# KiCad board ENV_KB.kicad_pcb (continued)
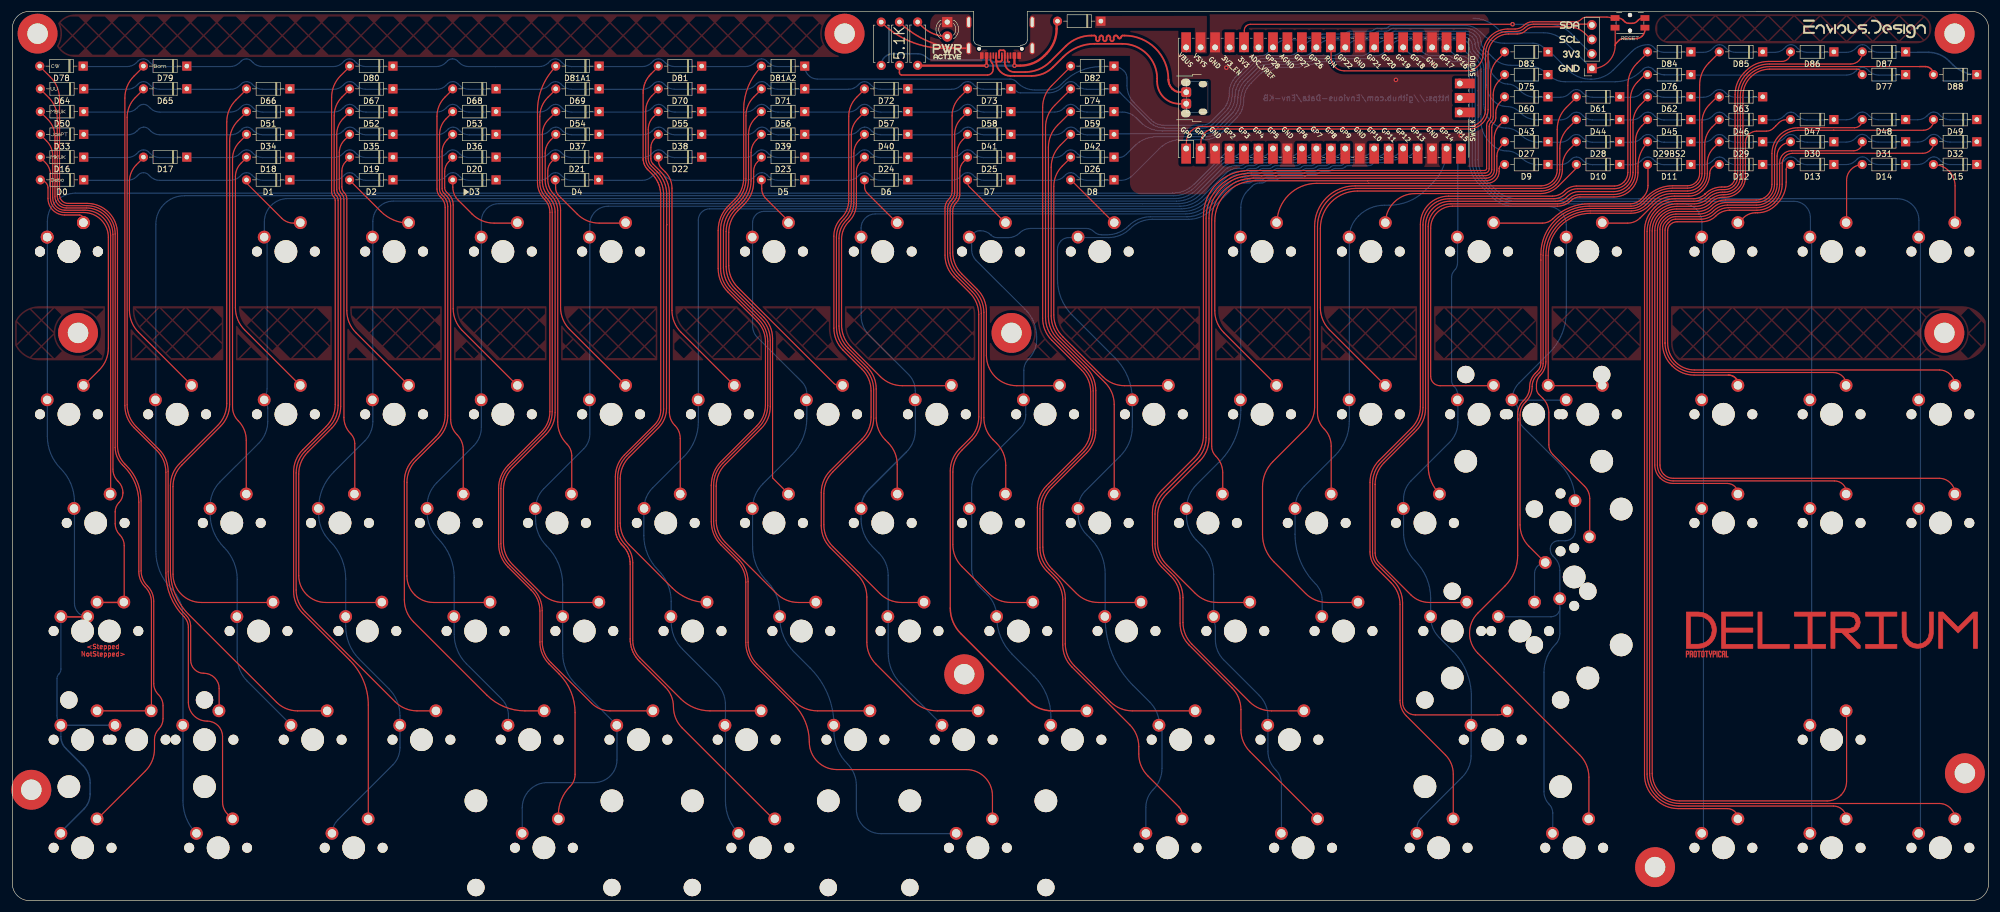
[diagram p0: board, top side]
## Nets (continued)
Net-(D75-Pad2): D75.2 K_75.2
Net-(D76-Pad2): D76.2 K_76.2
Net-(D77-Pad2): D77.2 K_77.2
Net-(D78-Pad2): D78.2 K_78.2
Net-(D79-Pad2): D79.2 K_79.2
Net-(D80-Pad2): D80.2 K_80.2
Net-(D81-Pad2): D81.2 K_81.2
Net-(D81A1-Pad2): D81A1.2 K_81A1.2
Net-(D81A2-Pad2): D81A2.2 K_81A2.2
Net-(D82-Pad2): D82.2 K_82.2
Net-(D83-Pad2): D83.2 K_83.2
Net-(D84-Pad2): D84.2 K_84.2
Net-(D85-Pad2): D85.2 K_85.2
Net-(D86-Pad2): D86.2 K_86.2
Net-(D87-Pad2): D87.2 K_87.2
Net-(D88-Pad2): D88.2 K_88.2
Net-(PowerLED0-Pad2): PowerLED0.2 PowerLedResistor0.2
Net-(RESISTOR0-Pad1): RESISTOR0.1 USB1.B5
Net-(RESISTOR1-Pad2): RESISTOR1.2 USB1.A5

Pads without a net: H0 1; H1 1; H3 1; H4 1; H4#2 1; H6 1; H7 1; H9 1; H10 1; H11 1; RPI0 33 35 37 40 41 42 43; USB1 A8 B8

## Via types
v1: diameter 0.8, hole 0.4, Top to Bottom, 6 vias
v2: diameter 0.4, hole 0.2, Top to Bottom, 2 vias

## Routing (per net, layer and track width the routed paths; a pad name or vN(x,y) marks a point on that pad's centre or on a via; arc(x,y) is an arc through that point)
3.3V: length 66.6
  Top w0.2: 216.31,149.97 216.31,152.97 arc(216.39,153.37) 216.62,153.72 arc(216.97,153.94) 217.37,154.03 263.39,154.03 arc(263.4,154.03) 263.41,154.03 v1(263.42,154.04)
  Bottom w0.2: v1(263.42,154.04) 263.43,154.03 arc(263.44,154.03) 263.45,154.03 269.82,154.03 arc(271.9,153.61) 273.67,152.43 277.33,148.76
GND: length 70.4
  Top w0.2: 281.43,153.34 281.43,150.32 arc(280.23,147.43) 277.33,146.22
  Top w0.25: SW-RST0.2 286.66,153.12 arc(286.53,152.49) 286.18,151.96 arc(285.7,151.64) 285.13,151.52 282.83,151.52 arc(282.45,151.45) 282.13,151.24 281.58,150.68 arc(281.47,150.52) 281.43,150.32 ; RESISTOR1.1 arc(157.67,151) 163.7,149.81 USB1.S1 166.95,149.81 arc(160.89,151.01) 155.76,154.44
  Bottom w0.2: 277.33,146.22 272.53,151.03 arc(270.85,152.15) 268.87,152.54 262.59,152.54 arc(261.59,152.74) 260.75,153.31 arc(258.78,154.62) 256.45,155.08
  vias: v1(213.16,146.41) v1(242.93,144.26) v1(254.31,134.46) v2(249.46,147.05)
col0: length 342.1
  Top w0.25: 8.53,49.88 13.28,49.88
  Bottom w0.2: 8.53,49.88 8.53,40.69 arc(8.44,40.22) 8.17,39.82 arc(7.92,39.45) 7.83,39.01 7.83,32.5 arc(8.01,31.59) 8.53,30.81 8.53,28.81 ; 213.77,132.19 207.53,125.94 arc(205.77,124.76) 203.68,124.35 11.15,124.35 arc(7.61,122.89) 6.15,119.35 6.15,81.59 arc(6.75,78.54) 8.48,75.95 arc(10.28,73.26) 10.91,70.09 10.91,52.25 arc(11.61,50.56) 13.29,49.87
  Bottom w0.25: 18.07,30.81 8.53,30.81 ; 8.53,28.81 arc(8.75,27.7) 9.38,26.76 12.4,23.74 arc(13.33,22.35) 13.65,20.71 13.65,18.72 arc(13.37,17.31) 12.57,16.12 8.69,12.23 arc(8.57,12.05) K_78.1
col1: length 306
  Bottom w0.2: 216.31,132.19 215.45,131.32 arc(214.71,130.83) 213.85,130.66 arc(212.98,130.48) 212.25,129.99 207.75,125.49 arc(205.98,124.31) 203.9,123.9 30.2,123.9 arc(26.66,122.44) 25.2,118.9 25.2,61.43 arc(25.91,57.85) 27.93,54.82 arc(29.43,52.58) 29.96,49.93 29.96,17.51 arc(30.58,14.4) 32.34,11.76
col2: length 275.5
  Bottom w0.2: 44.73,116.12 44.73,89.97 arc(44.55,89.03) 44.02,88.24 ; 44.25,116.54 44.25,119.29 arc(45.45,122.2) 48.36,123.4 204.1,123.4 arc(206.18,123.81) 207.95,124.99 212.44,129.49 arc(213.24,130.02) 214.18,130.21 214.83,130.21 arc(215.16,130.27) 215.44,130.46 arc(215.73,130.65) 216.06,130.72 216.54,130.72 arc(217.32,130.87) 217.98,131.31 218.85,132.19 ; 49.01,30.81 41.23,38.59 arc(39.94,40.53) 39.49,42.81 39.49,56.48 arc(38.88,59.52) 37.16,62.1 arc(35.36,64.8) 34.72,67.98 ; 44.25,87.97 arc(44.69,87.3) 44.85,86.52 44.85,84.23 arc(44.43,82.15) 43.26,80.39 36.48,73.61 arc(35.18,71.67) 34.72,69.37
col3: length 282.6
  Bottom w0.2: 221.39,132.19 220.52,131.31 arc(219.86,130.87) 219.08,130.72 218.6,130.72 arc(218.27,130.65) 217.99,130.46 arc(217.7,130.27) 217.37,130.21 216.57,130.21 arc(216.23,130.14) 215.95,129.95 arc(215.67,129.77) 215.34,129.7 214.56,129.7 arc(213.5,129.49) 212.6,128.89 208.26,124.54 arc(206.49,123.36) 204.41,122.95 66.88,122.95 arc(64.35,121.9) 63.3,119.37 63.3,84.24 arc(62.92,82.36) 61.86,80.77 56.44,75.35 arc(54.47,72.4) 53.77,68.91 ; 56.15,11.76 arc(56.42,13.09) 57.17,14.21 66.8,23.84 arc(67.73,25.24) 68.06,26.89 68.06,32.53 arc(67.55,35.09) 66.1,37.25 60.92,42.44 arc(59.16,45.08) 58.54,48.2 58.54,56.52 arc(57.82,60.13) 55.78,63.18 arc(54.29,65.4) 53.77,68.02
col4: length 246.1
  Bottom w0.2: 81.96,87.97 81.4,88.52 81.4,88.19 ; 87.11,30.81 87.11,32.53 arc(86.8,34.12) 85.9,35.46 79.73,41.63 arc(78.14,44) 77.59,46.8 77.59,56.83 arc(76.86,60.47) 74.8,63.56 arc(73.34,65.75) 72.82,68.33 ; 226.47,132.19 225.74,131.45 arc(224.92,130.91) 223.96,130.72 221.14,130.72 arc(220.81,130.65) 220.52,130.46 arc(220.24,130.27) 219.91,130.21 218.85,130.21 arc(218.52,130.14) 218.24,129.95 arc(217.96,129.77) 217.63,129.7 216.82,129.7 arc(216.49,129.63) 216.21,129.44 arc(215.93,129.26) 215.59,129.19 214.81,129.19 arc(213.75,128.98) 212.86,128.38 208.57,124.09 arc(206.8,122.91) 204.72,122.5 198.46,122.5 arc(198.46,122.5) 198.46,122.5 134.02,122.5 85.44,122.5 arc(83.25,121.6) 82.35,119.41 82.35,83.19 arc(82,81.43) 81,79.93 74.53,73.46 arc(73.27,71.57) 72.82,69.34
col5: length 261.5
  Bottom w0.2: 229.01,132.19 228.14,131.31 arc(227.48,130.87) 226.7,130.72 226.22,130.72 arc(225.89,130.65) 225.61,130.46 arc(225.32,130.27) 224.99,130.21 221.39,130.21 arc(221.06,130.14) 220.78,129.95 arc(220.5,129.77) 220.17,129.7 219.11,129.7 arc(218.77,129.63) 218.49,129.44 arc(218.21,129.26) 217.88,129.19 217.07,129.19 arc(216.74,129.12) 216.46,128.94 arc(216.18,128.75) 215.85,128.68 215.06,128.68 arc(214.01,128.47) 213.11,127.87 208.88,123.64 arc(207.12,122.46) 205.03,122.05 104.63,122.05 arc(102.34,121.1) 101.4,118.82 101.4,82.03 arc(101.11,80.61) 100.31,79.4 93.32,72.41 arc(92.25,70.81) 91.87,68.91 91.87,66.99 arc(92.37,64.49) 93.78,62.38 arc(95.89,59.22) 96.64,55.49 96.64,43.44 arc(97.2,40.58) 98.83,38.15 106.16,30.81 106.16,24.75 arc(104.99,21.92) 102.16,20.75 93.95,20.75 arc(90.83,19.45) 89.53,16.32 89.53,11.76
col6: length 231.4
  Bottom w0.2: 115.69,49.87 115.69,52.6 arc(115.1,55.55) 113.43,58.06 arc(111.54,60.88) 110.88,64.21 110.88,68.87 ; 231.55,132.19 230.68,131.31 arc(230.02,130.87) 229.24,130.72 228.76,130.72 arc(228.43,130.65) 228.14,130.46 arc(227.86,130.27) 227.53,130.21 226.47,130.21 arc(226.14,130.14) 225.86,129.95 arc(225.58,129.77) 225.25,129.7 221.65,129.7 arc(221.31,129.63) 221.03,129.44 arc(220.75,129.26) 220.42,129.19 219.36,129.19 arc(219.03,129.12) 218.75,128.94 arc(218.47,128.75) 218.13,128.68 217.33,128.68 arc(217,128.62) 216.72,128.43 arc(216.43,128.24) 216.1,128.18 215.32,128.18 arc(214.26,127.96) 213.37,127.37 209.19,123.19 arc(207.43,122.01) 205.35,121.6 122.45,121.6 arc(121.03,121.01) 120.45,119.6 120.45,84.15 arc(119.79,80.84) 117.92,78.04 112.43,72.55 arc(111.31,70.88) 110.92,68.91 ; 127.59,11.76 arc(125.83,14.4) 125.21,17.51 125.21,34.39 arc(124.8,36.48) 123.62,38.24 117.66,44.2 arc(116.2,46.38) 115.69,48.96
col7: length 243.4
  Bottom w0.2: 234.09,132.19 233.22,131.31 arc(232.56,130.87) 231.78,130.72 231.3,130.72 arc(230.97,130.65) 230.69,130.46 arc(230.4,130.27) 230.07,130.21 229.01,130.21 arc(228.68,130.14) 228.4,129.95 arc(228.12,129.77) 227.79,129.7 226.73,129.7 arc(226.39,129.63) 226.11,129.44 arc(225.83,129.26) 225.5,129.19 221.9,129.19 arc(221.57,129.12) 221.29,128.94 arc(221.01,128.75) 220.67,128.68 219.61,128.68 arc(219.28,128.62) 219,128.43 arc(218.72,128.24) 218.39,128.18 217.58,128.18 arc(217.25,128.11) 216.97,127.92 arc(216.69,127.73) 216.36,127.67 215.57,127.67 arc(214.52,127.46) 213.62,126.86 209.51,122.74 arc(207.74,121.56) 205.66,121.15 131.97,121.15 arc(130.56,120.56) 129.97,119.15 129.97,101.03 arc(130.19,99.93) 130.82,98.99 138.63,91.17 arc(139.27,90.22) 139.5,89.09 139.5,84.8 arc(138.79,81.26) 136.78,78.25 131.76,73.23 arc(130.44,71.25) 129.97,68.91 129.97,62.22 arc(130.63,58.94) 132.49,56.15 arc(134.15,53.66) 134.74,50.72 ; 165.74,11.76 152.52,11.76 arc(149.46,13.03) 148.2,16.09 148.2,20.24 arc(147.78,22.31) 146.61,24.06 arc(144.87,26.67) 144.26,29.74 144.26,30.81 arc(143.18,36.25) 140.1,40.86 137.31,43.65 arc(135.4,46.5) 134.74,49.87
col8: length 194.9
  Bottom w0.2: 239.17,132.19 238.44,131.45 arc(237.62,130.91) 236.66,130.72 233.84,130.72 arc(233.51,130.65) 233.23,130.46 arc(232.94,130.27) 232.61,130.21 231.55,130.21 arc(231.22,130.14) 230.94,129.95 arc(230.66,129.77) 230.33,129.7 229.27,129.7 arc(228.93,129.63) 228.65,129.44 arc(228.37,129.26) 228.04,129.19 226.98,129.19 arc(226.65,129.12) 226.37,128.94 arc(226.09,128.75) 225.75,128.68 222.15,128.68 arc(221.82,128.62) 221.54,128.43 arc(221.26,128.24) 220.93,128.18 219.87,128.18 arc(219.54,128.11) 219.25,127.92 arc(218.97,127.73) 218.64,127.67 217.84,127.67 arc(217.5,127.6) 217.22,127.41 arc(216.94,127.23) 216.61,127.16 215.83,127.16 arc(214.77,126.95) 213.87,126.35 209.82,122.29 arc(208.05,121.11) 205.97,120.7 151.52,120.7 arc(149.76,119.97) 149.02,118.2 149.02,102.86 arc(149.4,100.97) 150.48,99.36 157.36,92.47 arc(158.24,91.16) 158.55,89.6 158.55,82.62 arc(158.14,80.59) 156.99,78.86 ; 163.31,30.81 156.03,38.1 arc(154.37,40.58) 153.79,43.51 153.79,57.17 arc(153.36,59.3) 152.16,61.1 151.03,62.23 arc(149.54,64.45) 149.02,67.07 149.02,68.91
  Bottom w0.25: 156.99,78.86 150.42,72.3 arc(149.39,70.74) 149.02,68.91
col9: length 176.7
  Bottom w0.2: 168.07,116.54 168.9,117.37 arc(169.32,117.65) 169.81,117.75 170.01,117.75 arc(171,117.55) 171.85,116.98 171.85,116.98 arc(172.34,116.65) 172.92,116.53 174.9,116.53 arc(175.96,116.74) 176.85,117.34 arc(177.74,117.94) 178.79,118.14 188.6,118.14 arc(189.28,118.01) 189.86,117.63 arc(190.52,117.18) 191.31,117.02 192.19,117.02 arc(194.26,117.44) 196.02,118.61 arc(197.78,119.79) 199.85,120.2 206.23,120.2 arc(208.31,120.61) 210.08,121.79 214.13,125.84 arc(215.02,126.44) 216.08,126.65 216.86,126.65 arc(217.2,126.72) 217.48,126.91 arc(217.76,127.09) 218.09,127.16 218.9,127.16 arc(219.23,127.23) 219.51,127.41 arc(219.79,127.6) 220.12,127.67 221.18,127.67 arc(221.51,127.73) 221.8,127.92 arc(222.08,128.11) 222.41,128.18 226.01,128.18 arc(226.34,128.24) 226.62,128.43 arc(226.9,128.62) 227.23,128.68 228.29,128.68 arc(228.63,128.75) 228.91,128.94 arc(229.19,129.12) 229.52,129.19 230.58,129.19 arc(230.91,129.26) 231.19,129.44 arc(231.47,129.63) 231.81,129.7 232.87,129.7 arc(233.2,129.77) 233.48,129.95 arc(233.76,130.14) 234.09,130.21 237.69,130.21 arc(238.02,130.27) 238.31,130.46 arc(238.59,130.65) 238.92,130.72 239.4,130.72 arc(240.18,130.87) 240.84,131.31 241.71,132.19 ; 182.36,30.81 182.36,32.29 arc(181.59,36.18) 179.38,39.47 175.55,43.31 arc(173.54,46.31) 172.84,49.87 arc(172.42,51.98) 171.22,53.77 169.85,55.14 arc(168.8,56.71) 168.43,58.56 168.43,72.27 arc(168.85,74.35) 170.03,76.12 176.98,83.08 arc(177.69,84.13) 177.93,85.37 177.93,87.03 ; 177.6,87.97 177.6,93.21 arc(177.81,94.28) 178.42,95.19 arc(179.48,96.77) 179.85,98.64 179.85,99.1 arc(179.33,101.7) 177.86,103.89 169.21,112.55 arc(168.64,113.41) 168.43,114.42 168.43,115.52
col10: length 181.6
  Bottom w0.2: 191.89,49.87 191.89,57.42 arc(191.21,60.79) 189.3,63.66 188.61,64.34 arc(187.51,66) 187.12,67.94 ; 244.25,132.19 243.38,131.31 arc(242.72,130.87) 241.94,130.72 241.46,130.72 arc(241.13,130.65) 240.85,130.46 arc(240.56,130.27) 240.23,130.21 239.17,130.21 arc(238.84,130.14) 238.56,129.95 arc(238.28,129.77) 237.95,129.7 234.35,129.7 arc(234.01,129.63) 233.73,129.44 arc(233.45,129.26) 233.12,129.19 232.06,129.19 arc(231.73,129.12) 231.45,128.94 arc(231.17,128.75) 230.83,128.68 229.77,128.68 arc(229.44,128.62) 229.16,128.43 arc(228.88,128.24) 228.55,128.18 227.49,128.18 arc(227.16,128.11) 226.88,127.92 arc(226.59,127.73) 226.26,127.67 222.66,127.67 arc(222.33,127.6) 222.05,127.41 arc(221.77,127.23) 221.44,127.16 220.38,127.16 arc(220.04,127.09) 219.76,126.91 arc(219.48,126.72) 219.15,126.65 218.34,126.65 arc(218.01,126.58) 217.73,126.4 arc(217.45,126.21) 217.12,126.14 216.33,126.14 arc(215.28,125.93) 214.38,125.33 210.39,121.34 arc(208.63,120.16) 206.54,119.75 200.16,119.75 arc(198.08,119.34) 196.31,118.16 196.29,118.13 arc(194.53,116.95) 192.44,116.54 185.46,116.54 arc(184.76,116.4) 184.16,116 arc(183.68,115.28) 183.51,114.43 183.51,109.2 arc(184.19,105.78) 186.12,102.88 193.61,95.4 arc(195.86,92.03) 196.65,88.06 ; 196.65,87.97 196.65,83.25 arc(196.1,80.49) 194.54,78.15 188.41,72.03 arc(187.46,70.6) 187.12,68.91 ; 199.03,11.76 199.03,16.41 arc(199.36,18.08) 200.31,19.5 arc(201.46,21.22) 201.86,23.24 201.86,29.73 arc(201.74,30.32) 201.41,30.81 arc(200.97,33.02) 199.73,34.88 196.81,37.8 arc(193.16,43.25) 191.89,49.68
col11: length 153.4
  Bottom w0.2: 246.79,132.19 245.92,131.31 arc(245.26,130.87) 244.48,130.72 244,130.72 arc(243.67,130.65) 243.38,130.46 arc(243.1,130.27) 242.77,130.21 241.71,130.21 arc(241.38,130.14) 241.1,129.95 arc(240.82,129.77) 240.49,129.7 239.43,129.7 arc(239.09,129.63) 238.81,129.44 arc(238.53,129.26) 238.2,129.19 234.6,129.19 arc(234.27,129.12) 233.99,128.94 arc(233.71,128.75) 233.37,128.68 232.31,128.68 arc(231.98,128.62) 231.7,128.43 arc(231.42,128.24) 231.09,128.18 230.03,128.18 arc(229.7,128.11) 229.42,127.92 arc(229.13,127.73) 228.8,127.67 227.74,127.67 arc(227.41,127.6) 227.13,127.41 arc(226.85,127.23) 226.52,127.16 222.92,127.16 arc(222.58,127.09) 222.3,126.91 arc(222.02,126.72) 221.69,126.65 220.63,126.65 arc(220.3,126.58) 220.02,126.4 arc(219.74,126.21) 219.4,126.14 219,126.14 arc(218.3,126) 217.7,125.6 216.97,124.87 arc(216.03,123.47) 215.7,121.81 215.7,86.18 arc(214.73,81.29) 211.96,77.15 207.91,73.1 arc(206.62,71.18) 206.17,68.91 206.17,67.52 arc(206.62,65.27) 207.89,63.37 208.84,62.42 arc(210.39,60.1) 210.94,57.36 210.94,49.87 ; 222.84,11.76 222.84,20.5 arc(222.57,21.85) 221.81,23 arc(220.81,24.49) 220.46,26.25 220.46,32.35 arc(220.06,34.38) 218.91,36.1 212.7,42.31 arc(211.61,43.93) 211.23,45.85 211.23,48.16 arc(211.13,48.68) 210.83,49.12
col12: length 97
  Bottom w0.2: 229.99,49.87 229.99,52.86 arc(229.68,54.4) 228.81,55.7 arc(226.15,59.67) 225.22,64.35 225.22,68.91 arc(225.65,71.04) 226.85,72.84 232.26,78.25 arc(234.1,81.01) 234.75,84.26 234.75,116.54 arc(235.15,118.55) 236.29,120.25 236.38,120.35 arc(238.47,121.74) 240.92,122.23 241.74,122.23 arc(245.19,122.92) 248.12,124.87 249.36,126.11 arc(251.22,128.9) 251.87,132.19
col13: length 130
  Bottom w0.2: 256.13,30.77 256.13,25.45 arc(255.73,23.44) 254.6,21.74 247.36,14.5 arc(246.82,13.7) 246.63,12.75 ; 253.82,87.97 253.82,84.1 arc(253.44,82.17) 252.35,80.54 245.61,73.8 arc(244.62,72.32) 244.27,70.58 244.27,64.65 arc(244.81,61.96) 246.33,59.67 arc(248.33,56.68) 249.04,53.15 249.04,49.87 arc(249.42,47.91) 250.53,46.25 252.87,43.91 arc(255.32,40.25) 256.18,35.93 256.18,30.81 ; 253.8,116.54 253.8,130.7 arc(253.96,131.5) 254.41,132.19 ; 253.75,116.49 253.75,112.08 arc(253.61,111.36) 253.2,110.75 arc(252.84,110.21) 252.71,109.56 252.71,91.43 arc(252.81,90.9) 253.11,90.46 arc(253.64,89.67) 253.82,88.73
col14: length 192.2
  Bottom w0.2: 272.84,87.97 263.32,87.97 ; 263.32,87.97 263.9,87.38 arc(264.2,86.94) 264.31,86.41 264.31,85.59 arc(264.57,84.28) 265.31,83.17 271.7,76.78 arc(273.72,73.77) 274.42,70.21 274.42,65 arc(273.91,63.76) 272.67,63.25 271.44,63.25 arc(270.46,62.84) 270.05,61.86 270.05,61.64 arc(270.16,61.07) 270.48,60.59 270.78,60.29 arc(271.47,59.25) 271.72,58.03 271.72,51.43 ; 263.32,87.97 arc(263.65,89.61) 264.58,91 269.88,96.29 arc(272.08,99.59) 272.85,103.47 272.85,118.78 arc(271.9,121.07) 269.62,122.02 263.74,122.02 arc(261.66,122.43) 259.89,123.61 257.42,126.07 arc(256.25,127.84) 255.83,129.92 255.83,145.31 arc(255.67,146.14) 255.2,146.84 255.19,146.85 arc(254.49,147.32) 253.67,147.48 253.14,147.48 arc(252.81,147.55) 252.53,147.73 arc(252.25,147.92) 251.92,147.99 248.32,147.99 arc(247.98,148.05) 247.7,148.24 arc(247.42,148.43) 247.09,148.5 246.59,148.5 arc(245.79,148.65) 245.11,149.11 244.25,149.97 ; 270.47,11.76 270.47,15.42 arc(270.3,16.25) 269.83,16.95 arc(269.17,17.95) 268.93,19.12 268.93,40.15 arc(269.46,42.81) 270.96,45.06 arc(271.52,45.89) 271.72,46.88 271.72,51.43 ; 271.72,51.43 arc(271.27,50.34) 270.19,49.9 260.92,49.9
col15: length 179.7
  Bottom w0.2: 296.66,116.54 296.66,119.16 arc(295.69,121.5) 293.36,122.47 263.92,122.47 arc(261.84,122.88) 260.08,124.06 257.93,126.2 arc(256.75,127.97) 256.34,130.05 256.34,145.39 arc(256.14,146.38) 255.58,147.22 255.44,147.36 arc(254.75,147.82) 253.93,147.99 253.4,147.99 arc(253.06,148.05) 252.78,148.24 arc(252.5,148.43) 252.17,148.5 249.3,148.5 arc(248.34,148.69) 247.53,149.23 246.79,149.97 ; 296.93,115.88 296.93,12.04
col16: length 192.3
  Bottom w0.2: 315.93,69.03 315.93,87.03 ; 315.93,88.19 315.93,116.02 ; 251.87,149.97 252.73,149.11 arc(253.41,148.65) 254.21,148.5 arc(255,148.34) 255.68,147.88 255.96,147.61 arc(256.62,146.62) 256.85,145.46 256.85,130.18 arc(257.26,128.1) 258.44,126.33 260.26,124.51 arc(262.03,123.33) 264.11,122.92 312.82,122.92 arc(314.86,122.07) 315.71,120.02 315.71,116.54 ; 315.93,68.03 315.93,11.95
col17: length 209.3
  Bottom w0.2: 335.03,12.04 335.03,67.5 arc(334.96,67.89) 334.73,68.22 ; 335.03,69.12 335.03,86.5 arc(334.96,86.89) 334.73,87.22 ; 335.03,88.12 335.03,115.92 ; 254.41,149.97 255.88,148.49 arc(256.97,146.86) 257.36,144.94 257.36,130.31 arc(257.77,128.22) 258.95,126.46 260.45,124.96 arc(262.21,123.78) 264.3,123.37 285.57,123.37 arc(285.57,123.37) 285.58,123.37 arc(285.58,123.37) 285.59,123.38 330.97,123.38 arc(333.65,122.26) 334.76,119.58 334.76,116.54
I2CSCL: length 86.1
  Top w0.2: 277.43,151.12 276.2,152.36 arc(274.82,153.28) 273.21,153.6 267.31,153.6 arc(266.48,153.43) 265.77,152.96 arc(265.06,152.49) 264.23,152.32 262.71,152.32 arc(260.17,151.27) 259.11,148.73 259.11,139.05 arc(258.85,137.74) 258.11,136.63 arc(257,135.89) 255.69,135.62 211.01,135.62 arc(209.37,134.95) 208.69,133.31 208.69,132.19
I2CSDA: length 87.7
  Top w0.2: 206.15,132.19 206.15,133.31 arc(206.96,135.27) 208.91,136.07 255.67,136.07 arc(257.79,136.95) 258.66,139.07 258.66,148.78 arc(259.83,151.6) 262.66,152.78 264.03,152.78 arc(264.86,152.94) 265.57,153.41 arc(266.28,153.88) 267.11,154.05 277.11,154.05
Resetbtn: length 63.6
  Top w0.2: 231.55,149.97 231.55,148.13 arc(232.22,146.52) 233.83,145.85 255.25,145.85 arc(257.36,146.72) 258.24,148.84 arc(259.52,151.92) 262.6,153.2 263.86,153.2 arc(264.69,153.37) 265.39,153.84 arc(266.1,154.31) 266.93,154.48 274.45,154.48 arc(274.99,154.58) 275.45,154.89 arc(275.9,155.19) 276.44,155.3 280.01,155.3 arc(280.72,155.16) 281.33,154.75
  Top w0.25: SW-RST0.1 286.39,155.13 arc(285.9,155.04) 285.49,154.76 285.27,154.55 arc(284.89,154.29) 284.44,154.2 283.83,154.2 arc(283.42,154.28) 283.08,154.51 282.85,154.74 arc(282.41,155.03) 281.89,155.13 SW-RST0.1
row0: length 372.3
  Bottom w0.2: 345.01,129.38 340.21,129.38 arc(339.33,129.55) 338.58,130.05 338.28,130.35 arc(337.87,130.63) 337.38,130.72 arc(336.9,130.63) 336.49,130.35 336.18,130.05 arc(335.44,129.55) 334.55,129.38 327.66,129.38 arc(326.78,129.55) 326.03,130.05 325.73,130.35 arc(325.32,130.63) 324.83,130.72 arc(324.35,130.63) 323.94,130.35 323.63,130.05 arc(322.89,129.55) 322,129.38 319.91,129.38 ; 319.91,129.35 315.11,129.35 arc(314.23,129.53) 313.48,130.02 313.18,130.33 arc(312.77,130.6) 312.28,130.7 arc(311.8,130.6) 311.39,130.33 311.08,130.03 arc(310.34,129.53) 309.45,129.35 302.56,129.35 arc(301.68,129.53) 300.93,130.02 300.63,130.33 arc(300.22,130.6) 299.73,130.7 arc(299.25,130.6) 298.84,130.33 298.53,130.03 arc(297.79,129.53) 296.9,129.35 290.01,129.35 arc(289.13,129.53) 288.38,130.02 288.08,130.33 arc(287.67,130.6) 287.18,130.7 arc(286.7,130.6) 286.29,130.33 285.98,130.03 arc(285.24,129.53) 284.35,129.35 277.46,129.35 arc(276.58,129.53) 275.83,130.02 275.53,130.33 arc(275.12,130.6) 274.63,130.7 arc(274.15,130.6) 273.74,130.33 273.43,130.02 arc(272.69,129.53) 271.8,129.35 267.9,129.35 arc(266.31,129.67) 264.97,130.56 264.76,130.78 arc(263.65,131.52) 262.35,131.77 arc(261.04,132.03) 259.93,132.77 259.4,133.31 arc(258.26,135.01) 257.86,137.02 257.86,145.79 arc(257.6,147.12) 256.85,148.24 256.28,148.81 arc(255.95,149.31) 255.83,149.89 255.83,149.99 arc(255.73,150.49) 255.45,150.91 arc(255.03,151.19) 254.53,151.29 243.97,151.29 arc(243.11,151.12) 242.38,150.63 240.84,149.09 arc(240.18,148.65) 239.4,148.5 238.92,148.5 arc(238.59,148.43) 238.31,148.24 arc(238.02,148.05) 237.69,147.99 234.09,147.99 arc(233.76,147.92) 233.48,147.73 arc(233.2,147.55) 232.87,147.48 229.27,147.48 arc(228.93,147.41) 228.65,147.22 arc(228.37,147.04) 228.04,146.97 226.98,146.97 arc(226.65,146.9) 226.37,146.72 arc(226.09,146.53) 225.75,146.46 222.15,146.46 arc(221.82,146.4) 221.54,146.21 arc(221.26,146.02) 220.93,145.95 220.52,145.95 arc(219.82,145.81) 219.22,145.42 217.46,143.66 arc(216.53,142.26) 216.21,140.62 arc(215.88,138.98) 214.95,137.59 212.37,135.01 arc(210.99,134.09) 209.37,133.76 205.22,133.76 arc(203.14,133.35) 201.38,132.17 196.64,127.43 arc(195.72,126.82) 194.63,126.6 188.66,126.6 arc(187.78,126.78) 187.03,127.27 186.73,127.58 arc(186.32,127.85) 185.83,127.95 arc(185.35,127.85) 184.94,127.58 184.63,127.28 arc(183.89,126.78) 183,126.6 170.56,126.6 arc(169.68,126.78) 168.93,127.27 168.63,127.58 arc(168.22,127.85) 167.73,127.95 arc(167.25,127.85) 166.84,127.58 166.53,127.27 arc(165.79,126.78) 164.9,126.6 152.46,126.6 arc(151.58,126.78) 150.83,127.27 150.53,127.58 arc(150.12,127.85) 149.63,127.95 arc(149.15,127.85) 148.74,127.58 148.43,127.27 arc(147.69,126.78) 146.8,126.6 139.16,126.6 ; 12.56,126.6 20.2,126.6 arc(21.09,126.78) 21.83,127.27 22.14,127.58 arc(22.55,127.85) 23.03,127.95 arc(23.52,127.85) 23.93,127.58 24.23,127.27 arc(24.98,126.78) 25.86,126.6 38.3,126.6 arc(39.19,126.78) 39.93,127.27 40.24,127.58 arc(40.65,127.85) 41.13,127.95 arc(41.62,127.85) 42.03,127.58 42.33,127.27 arc(43.08,126.78) 43.96,126.6 56.4,126.6 arc(57.29,126.78) 58.03,127.27 58.34,127.58 arc(58.75,127.85) 59.23,127.95 arc(59.72,127.85) 60.13,127.58 60.43,127.27 arc(61.18,126.78) 62.06,126.6 74.5,126.6 arc(75.39,126.78) 76.13,127.27 76.44,127.58 arc(76.85,127.85) 77.33,127.95 arc(77.82,127.85) 78.23,127.58 78.53,127.27 arc(79.28,126.78) 80.16,126.6 84.96,126.6 ; 139.21,126.6 134.41,126.6 arc(133.53,126.78) 132.78,127.27 132.48,127.58 arc(132.07,127.85) 131.58,127.95 arc(131.1,127.85) 130.69,127.58 130.38,127.27 arc(129.64,126.78) 128.75,126.6 116.31,126.6 arc(115.43,126.78) 114.68,127.27 114.38,127.58 arc(113.97,127.85) 113.48,127.95 arc(113,127.85) 112.59,127.58 112.28,127.28 arc(111.54,126.78) 110.65,126.6 98.21,126.6 arc(97.33,126.78) 96.58,127.27 96.28,127.58 arc(95.87,127.85) 95.38,127.95 arc(94.9,127.85) 94.49,127.58 94.18,127.27 arc(93.44,126.78) 92.55,126.6 84.91,126.6
row2: length 367.8
  Bottom w0.2: 84.91,130.6 92.55,130.6 arc(93.44,130.78) 94.18,131.27 94.49,131.58 arc(94.9,131.85) 95.38,131.95 arc(95.87,131.85) 96.28,131.58 96.58,131.27 arc(97.33,130.78) 98.21,130.6 110.65,130.6 arc(111.54,130.78) 112.28,131.27 112.59,131.58 arc(113,131.85) 113.48,131.95 arc(113.97,131.85) 114.38,131.58 114.68,131.27 arc(115.43,130.78) 116.31,130.6 128.75,130.6 arc(129.64,130.78) 130.38,131.27 130.69,131.58 arc(131.1,131.85) 131.58,131.95 arc(132.07,131.85) 132.48,131.58 132.78,131.27 arc(133.53,130.78) 134.41,130.6 139.21,130.6 ; 139.16,130.6 146.8,130.6 arc(147.69,130.78) 148.43,131.28 148.74,131.58 arc(149.15,131.85) 149.63,131.95 arc(150.12,131.85) 150.53,131.58 150.83,131.27 arc(151.58,130.78) 152.46,130.6 164.9,130.6 arc(165.79,130.78) 166.53,131.27 166.84,131.58 arc(167.25,131.85) 167.73,131.95 arc(168.22,131.85) 168.63,131.58 168.93,131.27 arc(169.68,130.78) 170.56,130.6 183,130.6 arc(183.89,130.78) 184.63,131.27 184.94,131.58 arc(185.35,131.85) 185.83,131.95 arc(186.32,131.85) 186.73,131.58 187.03,131.27 arc(187.78,130.78) 188.66,130.6 194.23,130.6 arc(194.95,130.74) 195.56,131.15 197.08,132.68 arc(198.85,133.86) 200.93,134.27 209.59,134.27 arc(209.59,134.27) 209.59,134.27 arc(210.78,134.51) 211.78,135.18 214.44,137.84 arc(215.37,139.23) 215.7,140.88 arc(216.03,142.52) 216.96,143.91 218.97,145.92 arc(219.57,146.32) 220.27,146.46 220.67,146.46 arc(221.01,146.53) 221.29,146.72 arc(221.57,146.9) 221.9,146.97 225.5,146.97 arc(225.83,147.04) 226.11,147.22 arc(226.39,147.41) 226.73,147.48 227.79,147.48 arc(228.12,147.55) 228.4,147.73 arc(228.68,147.92) 229.01,147.99 232.61,147.99 arc(232.94,148.05) 233.23,148.24 arc(233.51,148.43) 233.84,148.5 236.66,148.5 arc(237.62,148.69) 238.44,149.23 239.83,150.63 arc(240.57,151.12) 241.43,151.29 242.01,151.29 arc(242.34,151.36) 242.62,151.54 arc(242.9,151.73) 243.24,151.8 254.82,151.8 arc(255.4,151.68) 255.9,151.35 arc(256.22,150.86) 256.34,150.28 256.34,150.21 arc(256.47,149.56) 256.83,149.02 257.36,148.5 arc(258.11,147.37) 258.37,146.04 258.37,139.96 arc(258.69,138.37) 259.59,137.02 259.79,136.82 arc(260.92,136.06) 262.25,135.8 arc(263.57,135.54) 264.7,134.78 264.94,134.55 arc(266.32,133.62) 267.95,133.3 271.8,133.3 arc(272.69,133.48) 273.43,133.97 273.74,134.28 arc(274.15,134.55) 274.63,134.65 arc(275.12,134.55) 275.53,134.28 275.83,133.97 arc(276.58,133.48) 277.46,133.3 284.36,133.3 284.36,133.3 arc(285.24,133.48) 285.99,133.98 286.29,134.28 arc(286.7,134.56) 287.19,134.65 arc(287.68,134.56) 288.09,134.28 288.39,133.98 arc(289.14,133.48) 290.02,133.3 290.02,133.3 296.9,133.3 arc(297.79,133.48) 298.53,133.98 298.84,134.28 arc(299.25,134.55) 299.73,134.65 arc(300.22,134.55) 300.63,134.28 300.93,133.97 arc(301.68,133.48) 302.56,133.3 309.45,133.3 arc(310.34,133.48) 311.08,133.98 311.39,134.28 arc(311.8,134.55) 312.28,134.65 arc(312.77,134.55) 313.18,134.28 313.48,133.97 arc(314.23,133.48) 315.11,133.3 319.91,133.3 ; 12.56,130.6 20.2,130.6 arc(21.09,130.78) 21.83,131.27 22.14,131.58 arc(22.55,131.85) 23.03,131.95 arc(23.52,131.85) 23.93,131.58 24.23,131.27 arc(24.98,130.78) 25.86,130.6 38.3,130.6 arc(39.19,130.78) 39.93,131.27 40.24,131.58 arc(40.65,131.85) 41.13,131.95 arc(41.62,131.85) 42.03,131.58 42.33,131.27 arc(43.08,130.78) 43.96,130.6 56.4,130.6 arc(57.29,130.78) 58.03,131.28 58.34,131.58 arc(58.75,131.85) 59.23,131.95 arc(59.72,131.85) 60.13,131.58 60.43,131.27 arc(61.18,130.78) 62.06,130.6 74.5,130.6 arc(75.39,130.78) 76.13,131.27 76.44,131.58 arc(76.85,131.85) 77.33,131.95 arc(77.82,131.85) 78.23,131.58 78.53,131.27 arc(79.28,130.78) 80.16,130.6 84.96,130.6 ; 345.01,133.32 340.21,133.32 arc(339.33,133.5) 338.58,134 338.28,134.3 arc(337.87,134.58) 337.38,134.68 arc(336.9,134.58) 336.49,134.3 336.18,134 arc(335.44,133.5) 334.55,133.32 327.66,133.32 arc(326.78,133.5) 326.03,134 325.73,134.3 arc(325.32,134.58) 324.83,134.68 arc(324.35,134.58) 323.94,134.3 323.63,134 arc(322.89,133.5) 322,133.32 319.91,133.32
row3: length 362.7
  Bottom w0.2: 269.71,137.22 271.8,137.22 arc(272.69,137.4) 273.43,137.9 273.74,138.2 arc(274.15,138.48) 274.63,138.57 arc(275.12,138.48) 275.53,138.2 275.83,137.9 arc(276.58,137.4) 277.46,137.22 284.35,137.22 arc(285.24,137.4) 285.98,137.9 286.29,138.2 arc(286.7,138.48) 287.18,138.57 arc(287.67,138.48) 288.08,138.2 288.38,137.9 arc(289.13,137.4) 290.01,137.22 296.9,137.22 arc(297.79,137.4) 298.53,137.9 298.84,138.2 arc(299.25,138.48) 299.73,138.57 arc(300.22,138.48) 300.63,138.2 300.93,137.9 arc(301.68,137.4) 302.56,137.22 309.45,137.22 arc(310.34,137.4) 311.08,137.9 311.39,138.2 arc(311.8,138.48) 312.28,138.57 arc(312.77,138.48) 313.18,138.2 313.48,137.9 arc(314.23,137.4) 315.11,137.22 319.91,137.22 ; 139.21,134.6 146.85,134.6 arc(147.74,134.78) 148.48,135.27 148.79,135.58 arc(149.2,135.85) 149.68,135.95 arc(150.17,135.85) 150.58,135.58 150.88,135.27 arc(151.63,134.78) 152.51,134.6 164.95,134.6 arc(165.84,134.78) 166.58,135.28 166.89,135.58 arc(167.3,135.85) 167.78,135.95 arc(168.27,135.85) 168.68,135.58 168.98,135.27 arc(169.73,134.78) 170.61,134.6 183.05,134.6 arc(183.94,134.78) 184.68,135.27 184.99,135.58 arc(185.4,135.85) 185.88,135.95 arc(186.37,135.85) 186.78,135.58 187.08,135.27 arc(187.83,134.78) 188.71,134.6 193.51,134.6 ; 139.26,134.6 134.46,134.6 arc(133.58,134.78) 132.83,135.27 132.53,135.58 arc(132.12,135.85) 131.63,135.95 arc(131.15,135.85) 130.74,135.58 130.43,135.27 arc(129.69,134.78) 128.8,134.6 116.36,134.6 arc(115.48,134.78) 114.73,135.27 114.43,135.58 arc(114.02,135.85) 113.53,135.95 arc(113.05,135.85) 112.64,135.58 112.33,135.27 arc(111.59,134.78) 110.7,134.6 98.26,134.6 arc(97.38,134.78) 96.63,135.27 96.33,135.58 arc(95.92,135.85) 95.43,135.95 arc(94.95,135.85) 94.54,135.58 94.23,135.27 arc(93.49,134.78) 92.6,134.6 84.96,134.6 ; 12.61,134.6 20.25,134.6 arc(21.14,134.78) 21.88,135.27 22.19,135.58 arc(22.6,135.85) 23.08,135.95 arc(23.57,135.85) 23.98,135.58 24.28,135.27 arc(25.03,134.78) 25.91,134.6 38.35,134.6 arc(39.24,134.78) 39.98,135.27 40.29,135.58 arc(40.7,135.85) 41.18,135.95 arc(41.67,135.85) 42.08,135.58 42.38,135.27 arc(43.13,134.78) 44.01,134.6 56.45,134.6 arc(57.34,134.78) 58.08,135.27 58.39,135.58 arc(58.8,135.85) 59.28,135.95 arc(59.77,135.85) 60.18,135.58 60.48,135.27 arc(61.23,134.78) 62.11,134.6 74.55,134.6 arc(75.44,134.78) 76.18,135.28 76.49,135.58 arc(76.9,135.85) 77.38,135.95 arc(77.87,135.85) 78.28,135.58 78.58,135.27 arc(79.33,134.78) 80.21,134.6 85.01,134.6 ; 345.01,137.25 340.21,137.25 arc(339.33,137.43) 338.58,137.93 338.28,138.23 arc(337.87,138.5) 337.38,138.6 arc(336.9,138.5) 336.49,138.23 336.18,137.93 arc(335.44,137.43) 334.55,137.25 327.66,137.25 arc(326.78,137.43) 326.03,137.93 325.73,138.23 arc(325.32,138.5) 324.83,138.6 arc(324.35,138.5) 323.94,138.23 323.63,137.93 arc(322.89,137.43) 322,137.25 319.91,137.25 ; 194.14,134.78 209.2,134.78 arc(210.51,135.04) 211.62,135.78 213.93,138.09 arc(214.86,139.49) 215.19,141.13 arc(215.52,142.77) 216.45,144.16 218.72,146.43 arc(219.31,146.83) 220.02,146.97 220.42,146.97 arc(220.75,147.04) 221.03,147.22 arc(221.31,147.41) 221.65,147.48 225.25,147.48 arc(225.58,147.55) 225.86,147.73 arc(226.14,147.92) 226.47,147.99 227.53,147.99 arc(227.86,148.05) 228.14,148.24 arc(228.43,148.43) 228.76,148.5 231.58,148.5 arc(232.54,148.69) 233.36,149.23 234.75,150.63 arc(235.49,151.12) 236.35,151.29 239.22,151.29 arc(239.55,151.36) 239.83,151.54 arc(240.11,151.73) 240.44,151.8 241.76,151.8 arc(242.09,151.86) 242.37,152.05 arc(242.65,152.24) 242.98,152.31 255.11,152.31 arc(255.78,152.17) 256.34,151.8 arc(256.71,151.23) 256.85,150.57 256.85,150.53 arc(256.99,149.82) 257.39,149.23 257.86,148.75 arc(258.61,147.62) 258.88,146.3 258.88,143.34 arc(259.17,141.9) 259.98,140.68 260.16,140.49 arc(261.18,139.81) 262.38,139.57 arc(263.58,139.34) 264.6,138.66 264.85,138.41 arc(266.13,137.55) 267.65,137.25 269.71,137.25
